# KiCad board input-output.Multi.kicad_pcb (continued)
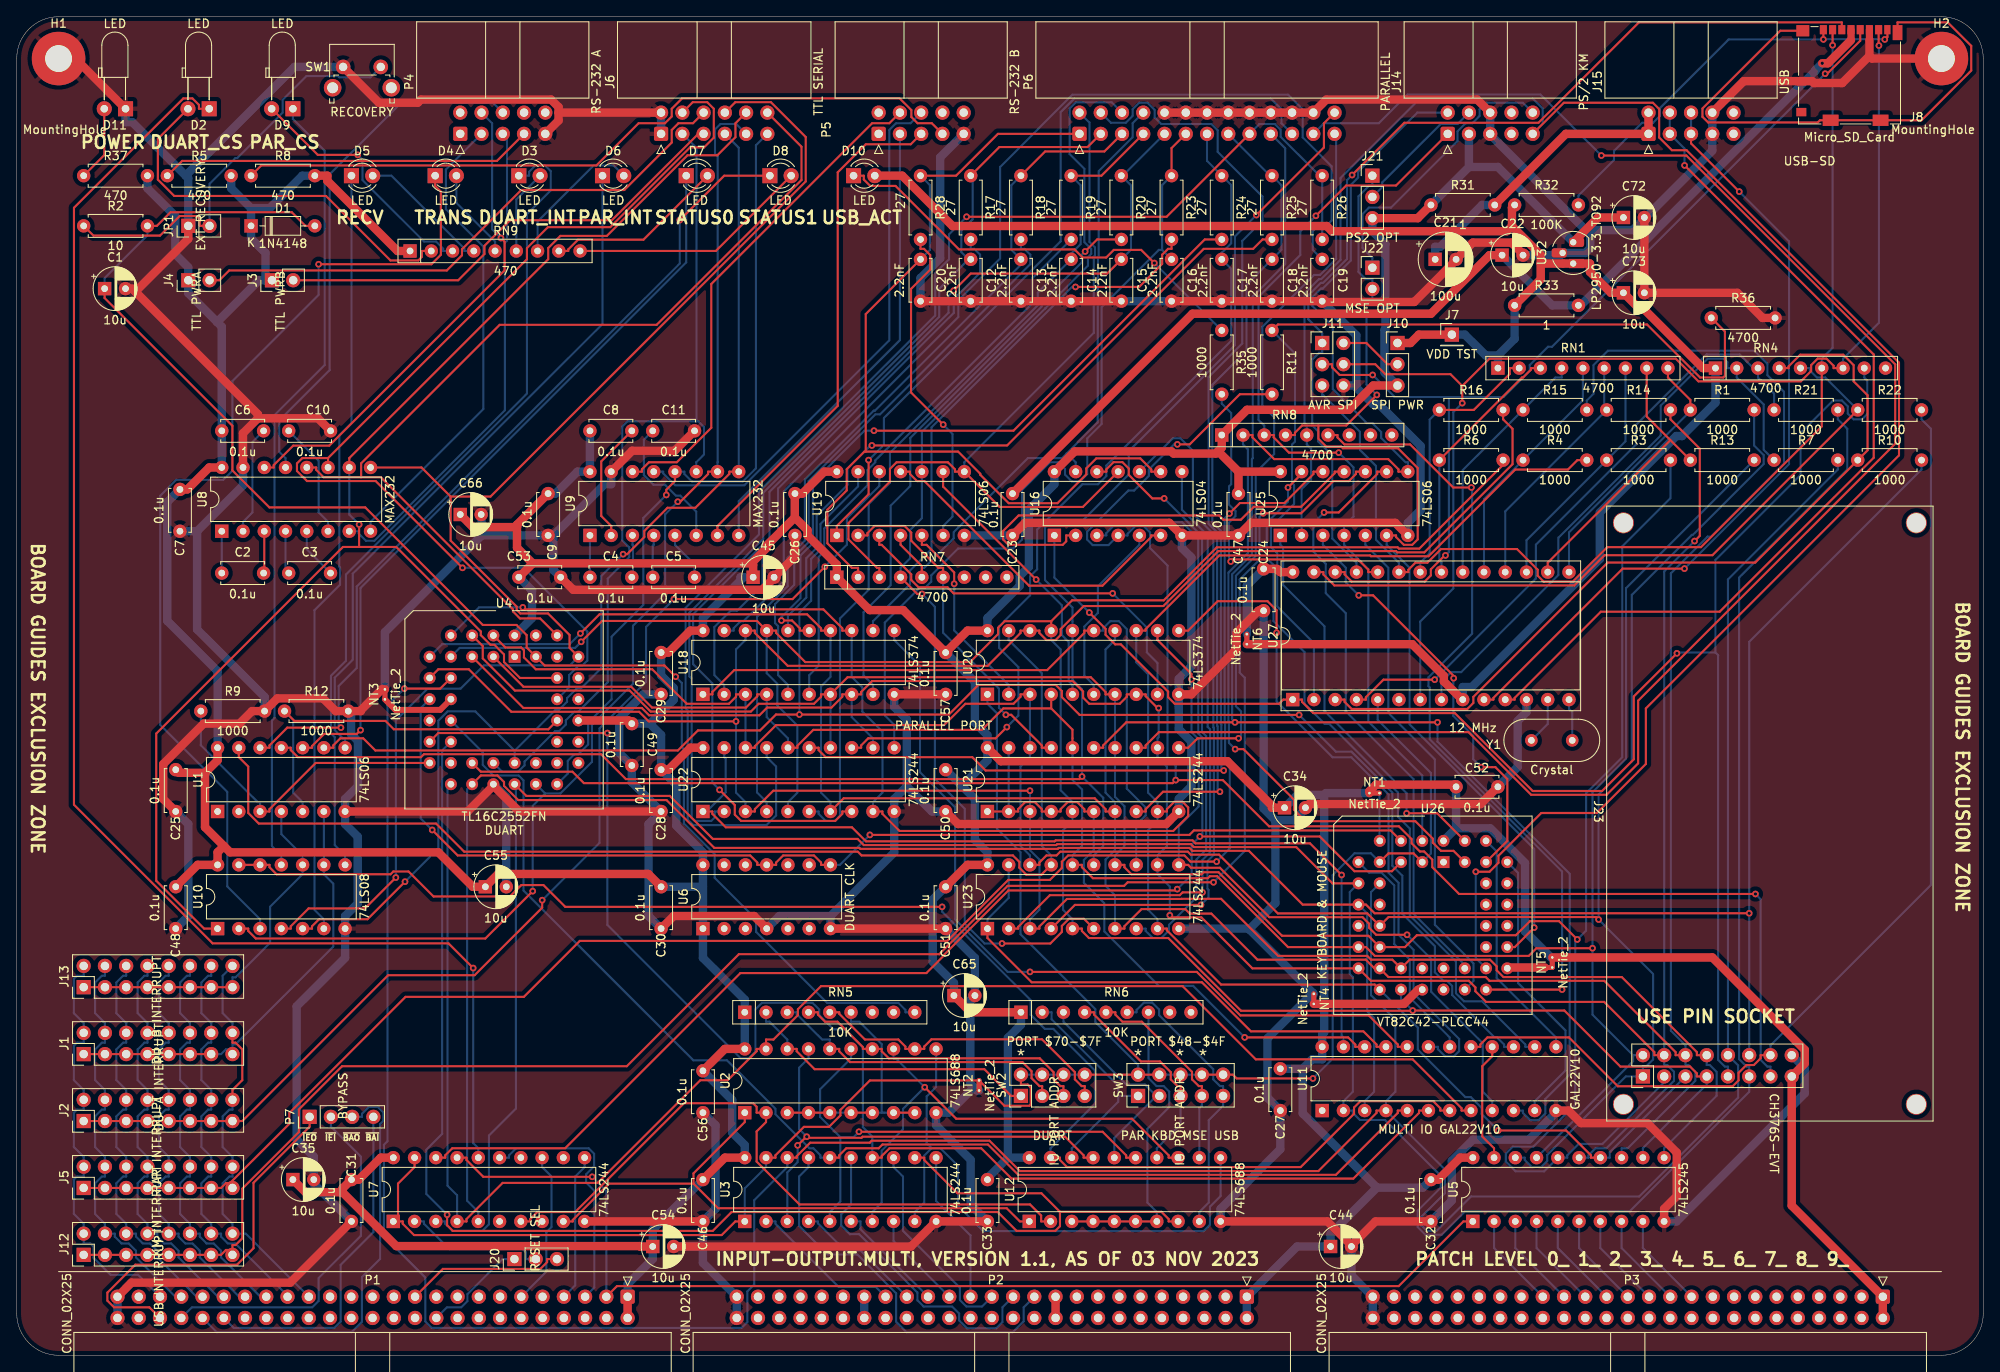
[diagram p0: board, top side]
## Routing (per net, layer and track width the routed paths; a pad name or vN(x,y) marks a point on that pad's centre or on a via; arc(x,y) is an arc through that point) (continued)
~{bRESET}: length 185.4
  Top w0.25: U7.18 51.21,23.62 51.21,23.9 52.05,24.75 65.53,24.75 86.47,45.69 108.7,45.69 110.75,47.73 110.75,47.81 118.5,55.56 138.52,55.56 v1(138.68,55.72) ; v1(141.38,62.01) 155.71,62.01 159.86,57.86 164.33,57.86 U26.5
  Bottom w0.25: U16.3 130.21,98 130.21,98.28 131.5,99.58 139.25,99.58 141.19,97.64 141.19,74.32 141.69,73.83 141.69,62.32 v1(141.38,62.01) 140.41,61.04 140.41,57.45 v1(138.68,55.72)
~{BUS_EN}: length 14.3
  Top w0.25: U11.16 176.32,35.74 175.13,34.55 175.13,26.16 176.54,24.75 U5.19
~{bWR}: length 318.8
  Top w0.25: v1(207.03,52.83) 162.27,52.83 161.24,53.87 U26.11 153.67,53.87 147.25,60.29 140.48,60.29 140.13,60.65 124.52,60.65 124.4,60.53 100.81,60.53 100.69,60.65 83.36,60.65 77.65,66.37 59.92,66.37 58.23,68.06 58.23,68.52 57.45,69.31 55.47,69.31 U4.20
  Bottom w0.25: U4.20 53.82,67.66 53.82,18.47 55.16,17.13 U7.5 ; J23.12 v1(207.03,52.83) 207.03,85.28 227.62,105.87 R10.2 ; U26.11 161.38,52.83 161.38,41.12 162.21,40.3 162.21,31.5 161.08,30.38 U11.3
~{CS_DUART}: length 193.4
  Top w0.25: U7.4 53.75,16 53.75,16.28 58.07,20.6 69.42,20.6 81.69,32.87 84.95,32.87 88.41,36.34 88.41,36.62 U2.19 89.54,37.75 90.43,37.75 93.35,40.66 93.35,41.36 96.11,44.13 139.31,44.13 148.06,35.38 166.81,35.38 172.65,29.53 172.65,29.25 U11.8
  Bottom w0.25: U7.4 52.62,19.14 51.48,20.28 51.48,67.86 U4.18
~{CS_KM}: length 27.5
  Bottom w0.25: U26.7 161.61,57.68 163.1,57.68 164.61,56.17 164.61,49.15 166.47,47.29 166.47,42.76 171.24,38 U11.18
~{CS_PAR}: length 180.7
  Top w0.25: U12.19 124.67,23.62 124.67,23.34 125.51,22.49 153.43,22.49 159.81,28.87 159.81,29.62 160.57,30.38 169.27,30.38 170.11,29.53 170.11,29.25 U11.7 ; v1(110.58,53.6) 65.55,53.6 62.94,56.2 60.3,56.2 58.94,54.84 49.8,54.84 46.82,57.83 45,57.83 44.67,57.49 31.05,57.49 30.21,58.34 30.21,58.62 U10.12 U10.13
  Bottom w0.25: v1(110.58,53.6) 110.58,53.03 121.16,42.45 121.16,40.71 122.86,39.01 123.87,39.01 128.84,34.05 128.84,30.04 123.54,24.75 U12.19
~{CS_US}: length 126.7
  Top w0.25: J23.14 208.39,35.87 208.39,35.5 207.59,34.69 206.69,34.69 205.76,33.76 205.76,32.86 205.06,32.15 191.33,32.15 185.49,38 175.75,38 174.91,37.15 174.91,36.87 U11.17
  Bottom w0.25: R22.2 227.62,111.87 228.75,110.75 228.75,56.22 209.57,37.05 J23.14
~{EIRQ0}: length 51.5
  Bottom w0.25: J13.2 8,45.36 7.19,45.36 6.82,45 6.82,40.89 8,39.72 J1.2 8,37.36 7.19,37.36 6.82,37 6.82,32.89 8,31.72 J2.2 8,29.36 7.19,29.36 6.82,29 6.82,24.89 8,23.72 J5.2 8,21.36 7.19,21.36 6.82,21 6.82,16.89 8,15.72 J12.2 8,13.36 8.81,13.36 9.18,13 9.18,11.66 11.22,9.62 14.5,9.62 P1.45
~{EIRQ1}: length 49.7
  Bottom w0.25: P1.43 18.94,7 14.26,11.69 14.26,12.49 13.38,13.36 12.52,13.36 11.72,14.17 11.72,14.54 J12.4 10.54,15.72 9.36,16.89 9.36,20.56 10.17,21.36 10.54,21.36 J5.4 10.54,23.72 9.36,24.89 9.36,28.56 10.17,29.36 10.54,29.36 J2.4 10.54,31.72 9.36,32.89 9.36,36.56 10.17,37.36 10.54,37.36 J1.4 10.54,39.72 9.36,40.89 9.36,44.56 10.17,45.36 10.54,45.36 J13.4
~{EIRQ2}: length 49.7
  Bottom w0.25: P1.41 21.49,7 16.8,11.7 16.8,12.49 15.92,13.36 15.06,13.36 14.26,14.17 14.26,14.54 J12.6 13.08,15.72 11.9,16.89 11.9,20.56 12.71,21.36 13.08,21.36 J5.6 13.08,23.72 11.9,24.89 11.9,28.56 12.71,29.36 13.08,29.36 J2.6 13.08,31.72 11.9,32.89 11.9,36.56 12.71,37.36 13.08,37.36 J1.6 13.08,39.72 11.9,40.89 11.9,44.56 12.71,45.36 13.08,45.36 J13.6
~{EIRQ3}: length 49.7
  Bottom w0.25: P1.39 24.03,7 19.34,11.7 19.34,12.49 18.46,13.36 17.6,13.36 16.8,14.17 16.8,14.54 J12.8 15.62,15.72 14.44,16.89 14.44,20.56 15.25,21.36 15.62,21.36 J5.8 15.62,23.72 14.44,24.89 14.44,28.56 15.25,29.36 15.62,29.36 J2.8 15.62,31.72 14.44,32.89 14.44,36.56 15.25,37.36 15.62,37.36 J1.8 15.62,39.72 14.44,40.89 14.44,44.56 15.25,45.36 15.62,45.36 J13.8
~{EIRQ4}: length 49.7
  Bottom w0.25: J13.10 18.16,45.36 17.79,45.36 16.98,44.56 16.98,40.89 18.16,39.72 J1.10 18.16,37.36 17.79,37.36 16.98,36.56 16.98,32.89 18.16,31.72 J2.10 18.16,29.36 17.79,29.36 16.98,28.56 16.98,24.89 18.16,23.72 J5.10 18.16,21.36 17.79,21.36 16.98,20.56 16.98,16.89 18.16,15.72 J12.10 19.34,14.54 19.34,14.17 20.14,13.36 21,13.36 21.88,12.49 21.88,11.7 26.57,7 P1.37
~{EIRQ5}: length 49.7
  Bottom w0.25: P1.35 29.11,7 24.42,11.7 24.42,12.49 23.54,13.36 22.68,13.36 21.88,14.17 21.88,14.54 J12.12 20.7,15.72 19.52,16.89 19.52,20.56 20.33,21.36 20.7,21.36 J5.12 20.7,23.72 19.52,24.89 19.52,28.56 20.33,29.36 20.7,29.36 J2.12 20.7,31.72 19.52,32.89 19.52,36.56 20.33,37.36 20.7,37.36 J1.12 20.7,39.72 19.52,40.89 19.52,44.56 20.33,45.36 20.7,45.36 J13.12
~{EIRQ6}: length 49.3
  Bottom w0.25: P1.33 32.36,7.13 26.12,13.36 25.22,13.36 24.42,14.17 24.42,14.54 J12.14 23.24,15.72 22.06,16.89 22.06,20.56 22.87,21.36 23.24,21.36 J5.14 23.24,23.72 22.06,24.89 22.06,28.56 22.87,29.36 23.24,29.36 J2.14 23.24,31.72 22.06,32.89 22.06,36.56 22.87,37.36 23.24,37.36 J1.14 23.24,39.72 22.06,40.89 22.06,44.56 22.87,45.36 23.24,45.36 J13.14
~{EIRQ7}: length 48.8
  Top w0.25: J1.16 25.78,37.36 26.15,37.36 26.96,36.56 26.96,32.89 25.78,31.72 J2.16
  Bottom w0.25: J13.16 24.6,45.36 24.6,40.89 25.78,39.72 J1.16 ; P1.31 27.36,14.54 J12.16 25.78,15.72 24.6,16.89 24.6,20.56 25.41,21.36 25.78,21.36 J5.16 25.78,23.72 24.6,24.89 24.6,28.56 25.41,29.36 25.78,29.36 J2.16
~{IEI}: length 42.8
  Bottom w0.25: P1.44 20.93,5.73 35.31,5.73 36.08,6.5 36.08,9.23 41.13,14.28 41.13,23.74 37.54,27.32 P7.2
~{IEO}: length 46.2
  Top w0.25: P7.1 35,27.32 28.29,20.62 28.29,12.8 26.32,10.82 14.17,10.82 10.83,7.49 10.83,6.53 11.63,5.73 15.85,5.73 P1.46
~{IORQ}: length 17.6
  Bottom w0.25: P1.7 66.73,8.35 66.73,21.37 67.86,22.49 U7.11
~{M1}: length 18.6
  Bottom w0.25: U7.13 62.78,22.49 63.91,21.37 63.91,15.33 63.28,14.7 63.28,9.99 P1.11
~{PARIN0}: length 109.4
  Top w0.25: U22.1 83.13,65 83.13,64.72 84.74,63.11 99.81,63.11 101.48,61.43 124.03,61.43 124.14,61.55 140.51,61.55 140.86,61.2 154.54,61.2 v1(158.32,57.41)
  Bottom w0.25: U11.23 158.54,38 158.32,38.21 v1(158.32,57.41) ; U22.19 84.54,71.49 84.72,71.32 84.72,67.29 82.43,65 U22.1
~{PARIN1}: length 75.7
  Top w0.25: U21.6 127.57,65 127.57,65.28 126.73,66.13 125.59,66.13 124.75,65.28 124.75,65 U21.4 122.49,65 122.49,65.28 121.65,66.13 120.51,66.13 119.67,65.28 119.67,65 U21.2 U21.1 ; v1(146.74,38) 159.11,38 159.95,37.15 159.95,36.87 U11.22
  Bottom w0.25: U21.2 U21.19 ; v1(146.74,38) 140.58,44.15 136.49,44.15 129.97,50.67 129.97,54.02 127.52,56.47 127.52,59.2 128.7,60.38 U21.6
~{PARIN2}: length 63
  Top w0.25: U23.1 116,49.87 121.29,44.58 141.62,44.58 147.49,38.72 160.93,38.72 162.49,37.15 162.49,36.87 U11.21
  Bottom w0.25: U23.19 118.54,54.67 116,52.13 U23.1
~{PAROUT0}: length 98
  Top w0.25: v1(121.08,45.83) 141.02,45.83 146.22,40.62 161.56,40.62 165.03,37.15 165.03,36.87 U11.20
  Bottom w0.25: v1(121.08,45.83) 118.42,45.83 112.14,52.11 112.14,65.5 107.94,69.69 107.94,82.41 104.86,85.49 U18.11
~{PAROUT2}: length 81.2
  Top w0.25: U20.11 139.99,86.62 143.5,90.14 149.48,90.14 150.55,89.06 v1(150.55,86.36)
  Bottom w0.25: U11.19 169.83,36.87 169.83,36.59 170.69,35.73 171.74,35.73 172.37,36.36 172.37,37.8 166.92,43.25 166.92,48.46 165.13,50.25 165.13,56.48 163.93,57.67 163.93,67.03 159.48,71.48 157.24,71.48 150.55,78.16 v1(150.55,86.36)
~{RD}: length 139.6
  Top w0.25: U7.17 53.75,23.62 53.75,23.34 55.75,21.33 v1(68.77,21.33) ; P1.3 71.73,8.27 165.14,8.27 172.87,16 U5.1
  Bottom w0.25: P1.3 70.46,19.64 v1(68.77,21.33)
~{RES_IN}: length 12.7
  Bottom w0.25: P1.20 51.41,5.73 53.11,5.73 53.86,6.47 53.86,7.3 58.06,11.5 J20.1
~{RES_OUT}: length 19
  Top w0.25: P1.21 50.92,10.32 62.57,10.32 63.38,11.13 63.38,11.5 64.56,11.5
~{WR}: length 30.5
  Bottom w0.25: U7.15 58.83,23.62 58.83,23.9 59.67,24.75 68.34,24.75 69,24.08 69,22.59 68.04,21.63 68.04,20.64 69.02,19.66 69.02,8.1 P1.5
Net-(C2-Pad1): length 5
  Bottom w0.25: U8.1 C2.1
Net-(C2-Pad2): length 5
  Top w0.25: C2.2 29.58,93.58 U8.3
Net-(C3-Pad1): length 5.2
  Bottom w0.25: U8.4 32.12,93.88 C3.1
Net-(C3-Pad2): length 6.2
  Bottom w0.25: C3.2 34.66,96.34 U8.5
Net-(C4-Pad1): length 5
  Bottom w0.25: U9.1 C4.1
Net-(C4-Pad2): length 5.1
  Bottom w0.25: C4.2 73.64,93.14 73.64,96.81 73.58,96.87 U9.3
Net-(C5-Pad1): length 5
  Bottom w0.25: C5.1 76,96.75 76.12,96.87 U9.4
Net-(C5-Pad2): length 6
  Bottom w0.25: C5.2 81,94.53 78.66,96.87 U9.5
Net-(C6-Pad2): length 13
  Bottom w0.25: C6.2 28.17,109.17 28.17,100.75 27.04,99.63 U8.2
Net-(C8-Pad2): length 14.5
  Top w0.25: U9.2 71.04,99.13 69.85,100.32 69.85,106.85 C8.2
Net-(C10-Pad1): length 13.9
  Bottom w0.25: U8.6 37.2,99.63 36.07,100.75 36.07,106.93 C10.1
Net-(C11-Pad1): length 16.6
  Bottom w0.25: U9.6 81.2,100.85 79.29,102.75 78.77,102.75 77.48,104.04 76.1,104.04 74.94,105.21 74.94,109.44 C11.1
Net-(D2-Pad1): length 172.4
  Top w0.25: D2.1 21.77,149 21.77,149.46 21,150.24 19.91,150.24 6.84,137.16 6.84,65.81 23.41,49.24 51.59,49.24 v1(54.54,46.28)
  Bottom w0.25: v1(54.54,46.28) 54.54,25.36 55.16,24.75 U7.16
Net-(D3-Pad1): length 99.4
  Bottom w0.25: U10.8 39.24,59.75 38,60.98 38,73.88 37.55,74.34 37.55,81.22 39.34,83.02 39.34,93.33 60.97,114.96 60.97,136.41 63.81,139.25 63.81,141.54 63.11,142.25 62.01,142.25 61.23,141.46 61.23,141 D3.1
Net-(D4-Pad1): length 120.3
  Top w0.25: D4.1 50,139.77 50.68,139.09 50.68,131.54 49.55,130.41 v1(36.07,130.41)
  Bottom w0.25: v1(36.07,130.41) 36.07,126.75 25.77,116.45 25.77,105.74 24.68,104.64 19.05,104.64 17.14,102.74 17.14,75.35 25.16,67.34 25.16,56.05 29.08,52.13 U10.3
Net-(D5-Pad1): length 92.4
  Bottom w0.25: U10.6 36.7,52.13 35.57,53.25 35.57,89.06 38.63,92.11 38.63,94.17 38.55,94.25 38.55,109.96 40,111.41 D5.1
Net-(D6-Pad1): length 82.3
  Bottom w0.25: U1.8 39.24,73.75 38.98,73.75 38,74.72 38,81 40.15,83.14 40.15,93.42 70,123.27 D6.1
Net-(D7-Pad1): length 90.3
  Top w0.25: v1(41.09,74.72) 40.63,74.27 36.73,74.27 35.29,72.82 35.29,72.62 U1.10
  Bottom w0.25: v1(41.09,74.72) 41.09,91.72 80,130.63 D7.1
Net-(D8-Pad1): length 101.5
  Top w0.25: v1(38.74,75.02) 32.33,75.02 30.21,72.9 30.21,72.62 U1.12 ; v1(79.23,135.69) 84.54,141 D8.1
  Bottom w0.25: v1(79.23,135.69) 79.23,130.5 40.63,91.9 40.63,82.15 38.47,79.99 38.47,75.29 v1(38.74,75.02)
Net-(D9-Pad1): length 95
  Bottom w0.25: U10.11 31.62,59.75 30.49,60.87 30.49,75.87 30.81,76.19 30.81,112.38 36.8,118.37 36.8,143.98 33,147.77 D9.1
Net-(D10-Pad1): length 52.7
  Top w0.25: v1(135.94,130.56) 134.37,132.13 131.1,132.13 130.19,131.22 127.37,131.22 126.4,132.19 112.6,132.19 105.01,139.77 101.99,139.77 101.23,140.54 101.23,141 D10.1
  Bottom w0.25: R35.1 v1(135.94,130.56)
Net-(D11-Pad2): length 9
  Top w0.25: D11.2 10.46,143.46 R37.1
Net-(J3-Pad2): length 56.9
  Top w0.25: J6.5 81.44,146 71.12,135.67 58.95,135.67 55.89,132.62 55.89,131.64 52.75,128.5 J3.2
Net-(J4-Pad2): length 68.6
  Top w0.25: J4.2 24.22,128.5 25.39,129.68 51.4,129.68 53.21,131.48 53.21,132.21 60.29,139.29 72.6,139.29 78.27,144.96 78.27,146.46 79.08,147.27 80.81,147.27 J6.6
Net-(J8-Pad1): length 49.2
  Top w0.25: v1(223.23,157.29) 223.52,157.57 223.55,157.57 J8.8 ; v1(215.9,157.29) J8.1
  Bottom w0.25: R32.2 186.62,138.63 190.87,142.88 190.87,143.97 194.23,147.32 195.55,147.32 196.36,148.14 196.36,149.08 204.57,157.29 v1(215.9,157.29) 215.92,157.32 223.2,157.32 v1(223.23,157.29)
Net-(J10-Pad2): length 7.5
  Top w0.25: J10.2 163.82,118.46 161.28,121 J11.2
Net-(J12-Pad1): length 221
  Top w0.25: v1(143.01,56.54) 132.76,56.54 132.33,56.11 118.41,56.11 110.24,47.94 110.24,47.94 86.29,47.94 72.9,34.55 38.88,34.55 33.72,29.39 33.72,26.68 26.96,19.92 26.96,13.98 26.15,13.18 25.78,13.18 25.78,12.59 ; v1(148.94,100.65) 153.49,100.65 157.33,104.49 159.19,104.49 160.03,105.34 160.03,105.62 U25.10 ; J12.15 25.78,12.59 ; 25.78,12.59 25,12.59 24.42,12 J12.13 J12.11 J12.9 J12.7 J12.5 J12.3 J12.1
  Bottom w0.25: v1(143.01,56.54) 146.76,60.28 146.76,80.99 146.14,81.6 146.14,92.74 148.51,95.1 148.51,100.22 v1(148.94,100.65)
Net-(J14-Pad4): length 16
  Bottom w0.25: J14.4 172.18,147.18 170.16,147.18 163.18,140.19 163.18,139.64 J21.2
Net-(J14-Pad10): length 34.4
  Bottom w0.25: J14.10 179.98,149.72 175.59,149.72 174.81,148.94 174.81,148.14 173.94,147.27 173.14,147.27 172.18,146.3 172.18,145.14 164.23,137.19 161.59,137.19 160.82,136.42 160.82,132.35 162,131.18 J22.1
Net-(J20-Pad2): length 17
  Bottom w0.25: U7.2 48.67,16 48.67,15.72 51.71,12.68 60.47,12.68 60.84,12.31 60.84,11.5 J20.2
Net-(JP1-Pad2): length 49.8
  Top w0.25: JP1.2 21.86,135 21.86,135.81 21.5,136.18 19.46,136.18 17.12,133.84 9.16,133.84 R2.1
  Bottom w0.25: JP1.2 23.04,140.03 26.12,143.11 26.36,143.11 31.77,148.53 31.77,150.07 34.62,152.91 38.39,152.91 38.55,152.75 42.25,152.75 SW1.2
Net-(R1-Pad1): length 31.5
  Top w0.25: R1.1 200,114.19 197.32,116.87 RN1.9
  Bottom w0.25: R1.1 200,112.86 185.5,98.36 U27.15
Net-(R3-Pad1): length 29.3
  Bottom w0.25: RN1.7 192.24,109.24 R3.1 180.41,97.41 U27.17
Net-(R4-Pad1): length 29.3
  Bottom w0.25: RN1.5 187.16,114.16 R4.1 175.34,102.33 175.34,93.62
Net-(R6-Pad1): length 30.2
  Top w0.25: RN1.3 180.95,118 180.95,117.82 180.01,116.87 179.87,116.87 R6.1
  Bottom w0.25: U27.21 170.25,94.74 170,95 R6.1
Net-(R7-Pad1): length 71.8
  Bottom w0.25: U27.8 170.25,80.5 171.41,81.66 172.61,81.66 184.22,93.27 184.22,97.72 196.46,109.96 196.46,113.52 202.06,119.13 203.99,119.13 204.41,118.7 204.41,118 RN4.2 205.54,116.87 208.77,113.65 208.77,108.23 R7.1
Net-(R10-Pad1): length 98.5
  Top w0.25: RN4.4 211.75,118 211.75,118.21 213.13,119.6 218.27,119.6 219.51,118.36 219.51,116.42 221.18,114.75 221.18,108.18 R10.1 207.76,94.76 190.12,94.76 174.06,78.7 174.06,77.97 173.34,77.25 159.52,77.25 158.68,78.09 158.68,78.38 U27.3
Net-(R13-Pad1): length 35
  Top w0.25: 197.61,109.39 194.78,112.22 RN1.8 ; 197.61,109.39 R13.1 ; 197.61,109.39 182.96,94.74 182.96,93.62
Net-(R14-Pad1): length 29.5
  Bottom w0.25: RN1.6 189.7,113.3 R14.1 177.88,100.88 U27.18
Net-(R15-Pad1): length 29.7
  Bottom w0.25: RN1.4 184.62,116.87 183.87,116.87 R15.1 172.79,105.8 U27.20
Net-(R16-Pad1): length 32.4
  Top w0.25: RN1.2 178.41,118 178.41,117.3 174.12,113 R16.1
  Bottom w0.25: U27.22 167.72,94.74 168.84,95.87 168.84,111.84 R16.1
Net-(R17-Pad2): length 69.2
  Bottom w0.25: U18.2 84.54,80.13 83.37,81.3 83.37,87.05 85.31,89 86.07,89 89.13,92.05 89.13,96.24 90.97,98.09 90.97,103.6 111.98,124.61 111.98,126.25 115.13,129.4 115.13,131.55 114.42,132.25 114,132.25 R17.2
Net-(R18-Pad2): length 68.7
  Bottom w0.25: R18.2 120,132.25 120.42,132.25 121.13,131.55 121.13,130.43 103.16,112.47 102.6,112.47 94.63,104.5 94.63,97.21 92.9,95.48 92.9,92.08 90.61,89.79 90.61,87.53 90.98,87.16 90.98,81.3 92.16,80.13 U18.5
Net-(R19-Pad2): length 67.3
  Bottom w0.25: R19.2 121.4,128.78 121.4,125.78 102.6,106.97 102.6,106.75 101.67,105.81 101.67,103.99 96.5,98.82 96.5,96.09 95.83,95.43 95.83,82.42 94.7,81.29 U18.6
Net-(R20-Pad2): length 69.3
  Top w0.25: v1(127.67,131.94) 129.11,133.38 R20.2
  Bottom w0.25: U18.9 102.32,80.13 101.19,81.25 101.19,88.81 104.43,92.05 104.43,101.56 106.78,103.9 106.78,109.65 122.46,125.34 122.46,125.84 127.28,130.66 127.28,131.56 v1(127.67,131.94)
Net-(R21-Pad1): length 75.7
  Top w0.25: v1(169.44,80.76) 163.32,80.76 161.22,78.66 161.22,78.38 U27.4
  Bottom w0.25: 208.08,117.44 205.89,119.63 201.93,119.63 193.5,111.2 193.5,108.86 181.54,96.9 181.54,92.86 v1(169.44,80.76) ; 208.08,117.44 208.08,116.87 210,114.95 R21.1 ; 208.08,117.44 RN4.3
Net-(R22-Pad1): length 83.6
  Top w0.25: R22.1 202.63,95.63 189.74,95.63 186.13,92.02 157.45,92.02 156.14,93.33 156.14,93.62 U27.27
  Bottom w0.25: R22.1 216.13,116.87 215.13,116.87 214.29,117.72 214.29,118 RN4.5
Net-(R23-Pad2): length 66.5
  Top w0.25: R23.2 138,132.25 137.58,132.25 136.87,131.55 136.87,130.45 134.13,127.7 v1(126.52,127.7)
  Bottom w0.25: U18.12 102.32,87.75 106.75,92.17 106.75,93.8 109.32,96.38 109.32,110.92 126.1,127.7 v1(126.52,127.7)
Net-(R24-Pad2): length 83
  Top w0.25: U18.15 93.57,86.62 93.57,86.9 92.65,87.83 v1(91.39,87.83) ; v1(102.44,110.52) 119.11,110.52 141.97,133.38 R24.2
  Bottom w0.25: v1(91.39,87.83) 91.39,88.24 93.65,90.51 93.65,95.59 95.14,97.08 95.14,104.37 101.29,110.52 v1(102.44,110.52)
Net-(R25-Pad2): length 84.4
  Top w0.25: v1(102.19,108.76) 118.35,108.76 141.85,132.25 147.75,132.25 148.87,133.38 R25.2
  Bottom w0.25: U18.16 92.16,88.38 94.35,90.57 94.35,95.28 95.59,96.52 95.59,100.36 99.27,104.04 99.27,106 102.03,108.76 v1(102.19,108.76)
Net-(R26-Pad2): length 127.8
  Bottom w0.25: U18.19 85.67,86.62 85.67,86.9 86.51,87.75 86.84,87.75 91.67,92.57 91.67,103.26 112.52,124.11 112.52,126.11 117.51,131.1 117.51,142.04 126.15,150.68 151.93,150.68 153.67,148.94 153.67,145.58 157.13,142.12 157.13,135.63 156,134.51 R26.2
Net-(R28-Pad2): length 39.6
  Top w0.25: R28.2 108,132.25 108.42,132.25 109.16,131.52 109.16,129.76 106.87,127.47 106.87,115.09 v1(110.71,111.24)
  Bottom w0.25: U19.6 110.7,99.13 111.83,100.25 111.83,110.13 v1(110.71,111.24)
Net-(R35-Pad2): length 39.7
  Top w0.25: v1(145.07,94.88) 145.31,95.13 160.28,95.13 161.51,93.9 161.51,93.62 U27.24
  Bottom w0.25: R35.2 144,113.75 145.13,112.63 145.13,104.13 144.87,103.87 144.87,101.68 145.64,100.91 145.64,100.31 144.87,99.54 144.87,95.08 v1(145.07,94.88)
Net-(RN5-Pad2): length 36.1
  Top w0.25: U2.18 93.21,36.62 93.21,36.34 95.35,34.19 115.63,34.19 118.82,31 SW2.1
  Bottom w0.25: U2.18 92.08,37.75 89.95,39.87 89.54,39.87 RN5.2
Net-(RN5-Pad3): length 36.7
  Top w0.25: U2.16 98.29,36.62 98.29,36.34 99.58,35.04 120.18,35.04 121.27,33.96 121.27,33.13 122.22,32.18 122.54,32.18 SW2.3
  Bottom w0.25: U2.16 97.16,37.75 96.25,37.75 93.21,40.79 93.21,41 RN5.3
Net-(RN5-Pad4): length 36.2
  Top w0.25: SW2.5 125.08,32.18 124.71,32.18 123.9,32.98 123.9,33.84 122.25,35.49 104.21,35.49 103.37,36.34 103.37,36.62 U2.14 101.11,36.62 101.11,36.83 98.07,39.87 96.59,39.87 95.75,40.72 95.75,41 RN5.4
Net-(RN5-Pad5): length 37.2
  Top w0.25: RN5.5 98.29,41 98.29,40.82 101.36,37.75 105.35,37.75 106.19,36.9 106.19,36.62 U2.12 108.45,36.62 108.45,36.9 109.32,37.77 122.51,37.77 126.44,33.84 126.44,32.98 127.25,32.18 127.62,32.18 SW2.7
Net-(RN5-Pad6): length 29.3
  Top w0.25: U2.7 U2.6 ; U2.3 U2.4 U2.5 ; U2.9 U2.8
  Bottom w0.25: RN5.6 99.7,39.87 100.68,39.87 103.37,37.19 103.37,29 ; 103.37,29 U2.8 ; 103.37,29 U2.7 ; U2.6 U2.5
Net-(RN6-Pad2): length 26.5
  Bottom w0.25: RN6.2 123.67,41 123.67,40.16 131.63,32.2 131.63,31 ; 131.63,31 SW3.1 ; 131.63,31 131.63,30.29 126.08,24.75 U12.18
Net-(RN6-Pad3): length 25.8
  Bottom w0.25: U12.16 131.16,25.97 135.95,30.76 135.95,31 ; 135.95,31 135.95,31.23 134.82,32.36 132.59,32.36 125.08,39.87 RN6.3 ; 135.95,31 SW3.3
Net-(RN6-Pad4): length 25.5
  Top w0.25: SW3.5 139.08,32.18 138.71,32.18 137.9,32.98 137.9,33.84 136.63,35.12 134.34,35.12 128.75,40.72 128.75,41 RN6.4
  Bottom w0.25: SW3.5 139.08,27.59 136.24,24.75 U12.14
Net-(RN6-Pad5): length 24.5
  Top w0.25: SW3.7 141.62,32.18 141.25,32.18 140.44,32.98 140.44,33.88 134.45,39.87 132.13,39.87 131.29,40.72 131.29,41 RN6.5
  Bottom w0.25: U12.12 141.32,29.52 141.62,29.82 SW3.7
Net-(RN6-Pad6): length 34.7
  Bottom w0.25: U12.9 141.32,17.13 142.45,18.25 142.45,28.11 144.16,29.82 SW3.9 144.16,32.18 143.79,32.18 142.98,32.98 142.98,34.19 136.51,40.66 136.51,41.32 135.69,42.15 134.69,42.15 133.83,41.28 133.83,41 RN6.6
Net-(RN6-Pad7): length 38.2
  Top w0.25: U12.7 U12.6 U12.5 U12.4 U12.3
  Bottom w0.25: RN6.7 135.24,33.14 136.21,32.18 137.07,32.18 137.72,31.52 137.72,29.68 135.11,27.07 135.11,18.25 136.24,17.13 U12.7
Net-(U16-Pad2): length 55.1
  Top w0.25: U16.2 125.41,98 125.41,97.3 124.99,96.87 118.51,96.87 117.86,97.53 117.86,98.52 119.72,100.38 143.68,100.38 144.19,99.88 146.28,99.88 147.83,101.42 153.49,101.42 157.49,105.43 157.49,105.62 U25.11
Net-(U16-Pad5): length 22.2
  Bottom w0.25: U16.5 134.16,96.87 129.19,91.91 129.19,88.72 127.57,87.1 127.57,81.25 128.7,80.13 U20.6
Net-(U16-Pad6): length 39.5
  Top w0.25: U16.6 135.57,98 135.57,97.82 129.75,91.99 120.97,91.99 108.47,104.49 107.59,104.49 106.75,105.34 106.75,105.62 U19.11
Net-(U16-Pad8): length 77.1
  Top w0.25: v1(141.69,55.33) 139.32,55.33 138.98,55 123.46,55 119.67,51.2 119.67,51 U23.2
  Bottom w0.25: v1(141.69,55.33) 141.69,59.21 142.6,60.12 142.6,74.82 142.32,75.1 142.32,98 139.24,101.08 U16.8
Net-(U16-Pad10): length 83.8
  Top w0.25: U23.4 126.45,53.83 v1(141.52,53.83)
  Bottom w0.25: U16.10 138.16,109.62 139.05,109.62 140.55,108.12 140.55,100.63 142.99,98.19 142.99,75.07 143.05,75 143.05,59.83 142.29,59.06 142.29,55.77 142.42,55.63 142.42,54.74 v1(141.52,53.83)
Net-(U16-Pad12): length 71.4
  Top w0.25: v1(137.12,102.42) 135.7,102.42 132.89,105.23 132.89,106 132.13,106.76 131.06,106.76 130.21,105.9 130.21,105.62 U16.12
  Bottom w0.25: U23.8 134.91,51 134.91,50.72 135.75,49.87 136.79,49.87 137.69,50.78 137.69,51.45 140.97,54.72 140.97,59.26 142.14,60.43 142.14,74.01 141.64,74.51 141.64,97.9 v1(137.12,102.42)
Net-(U19-Pad3): length 46.1
  Top w0.25: U19.3 103.08,96.87 103.36,96.87 106.89,93.35 106.89,92.68 107.76,91.8 111.23,91.8 111.96,91.07 v1(130.96,91.07)
  Bottom w0.25: U20.9 136.32,82.76 135.05,84.03 135.05,86.99 v1(130.96,91.07)
Net-(U19-Pad5): length 23.6
  Top w0.25: U19.5 108.16,96.87 108.72,96.87 112.02,93.57 v1(112.02,92.22)
  Bottom w0.25: U20.2 118.54,80.13 112.02,86.64 v1(112.02,92.22)
Net-(U19-Pad9): length 33
  Top w0.25: v1(121.82,92.72) 110.7,103.84 U19.9
  Bottom w0.25: U20.5 126.16,80.13 125.71,80.58 125.71,85.27 124.89,86.09 124.89,89.65 v1(121.82,92.72)
Net-(U25-Pad1): length 47.8
  Top w0.25: v1(166.09,64.78) 169.75,64.78 U26.42
  Bottom w0.25: U25.1 151,96.87 151.33,96.55 151.33,92.07 156.28,87.12 156.28,76.99 166.09,67.19 v1(166.09,64.78)
Net-(U25-Pad3): length 51.3
  Top w0.25: v1(160.37,90.84) 162.08,90.84 171.71,81.21 v1(171.71,80.93) ; v1(175,70.3) 176.7,70.3 178.13,68.87 178.13,61.5 U26.41
  Bottom w0.25: v1(175,70.3) 174.04,71.25 174.04,74.04 171.67,76.42 171.67,80.89 v1(171.71,80.93) ; v1(160.37,90.84) 158.82,92.39 158.82,94.13 156.08,96.87 U25.3
Net-(U25-Pad5): length 60.1
  Bottom w0.25: U25.5 161.16,96.87 163.91,94.13 163.91,76.78 169.46,71.22 169.46,51.45 174.08,46.84 174.08,44.75 U26.26
Net-(U25-Pad9): length 72.2
  Top w0.25: v1(156.23,100.75) 157.98,100.75 162.57,105.34 162.57,105.62 U25.9
  Bottom w0.25: v1(156.23,100.75) 154.95,99.47 154.95,96.08 156.43,94.6 156.43,91.1 158.82,88.7 158.82,76.96 166.92,68.86 166.92,52.77 173.04,46.65 U26.27
Net-(U27-Pad13): length 5.7
  Bottom w0.25: Y1.1 182.96,75.46 182.96,78.38
Net-(U27-Pad14): length 5
  Bottom w0.25: U27.14 185.5,77.25 185.88,76.86 Y1.2
unconnected-(J8-Pad11): length 65.9
  Top w0.25: J8.11 210.74,158.32 201.44,149.03 201.44,148.04 202.12,147.36 215.22,147.36 215.48,147.62 J8.11 J8.11 227.62,147.62 233.56,153.57 233.56,156.52 230.75,159.33 224.75,159.33 J8.11

## Copper pours and planes (outline as drawn; the poured copper is in the pictures)
GND on Top, Bottom: 235,0 0,0 0,160 235,160

## Text on the board
F.Silkscreen: ~{IEO} | ~{IEI} | ~{BAO} | ~{BAI} | DUART | PARALLEL PORT | PORT $70-$7F | PORT $48-$4F | PAR KBD MSE USB | MULTI IO GAL22V10 | 12 MHz | USB-SD | KEYBOARD & MOUSE | * | POWER | DUART_CS | PAR_CS | RECV | TRANS | DUART_INT | PAR_INT | STATUS0 | STATUS1 | USB_ACT | INPUT-OUTPUT.MULTI, VERSION 1.1, AS OF 03 NOV 2023 | PATCH LEVEL 0_ 1_ 2_ 3_ 4_ 5_ 6_ 7_ 8_ 9_ | USE PIN SOCKET | BOARD GUIDES EXCLUSION ZONE
